# Altium PCB CM4-Tower.PcbDoc (part 7 of 10)
Units mil, origin at the board's own origin, x right, y up, seen from the top; angles counter-clockwise.
Board outline 1968.5 x 5354.33 mil, 8 copper layers (Top Layer, Layer 2, Layer 3, Layer 4, Layer 5, Layer 6, Layer 7, Bottom Layer), stack 61.408 mil thick; 632 components, 480 nets, 2338 pads, 1074 vias.
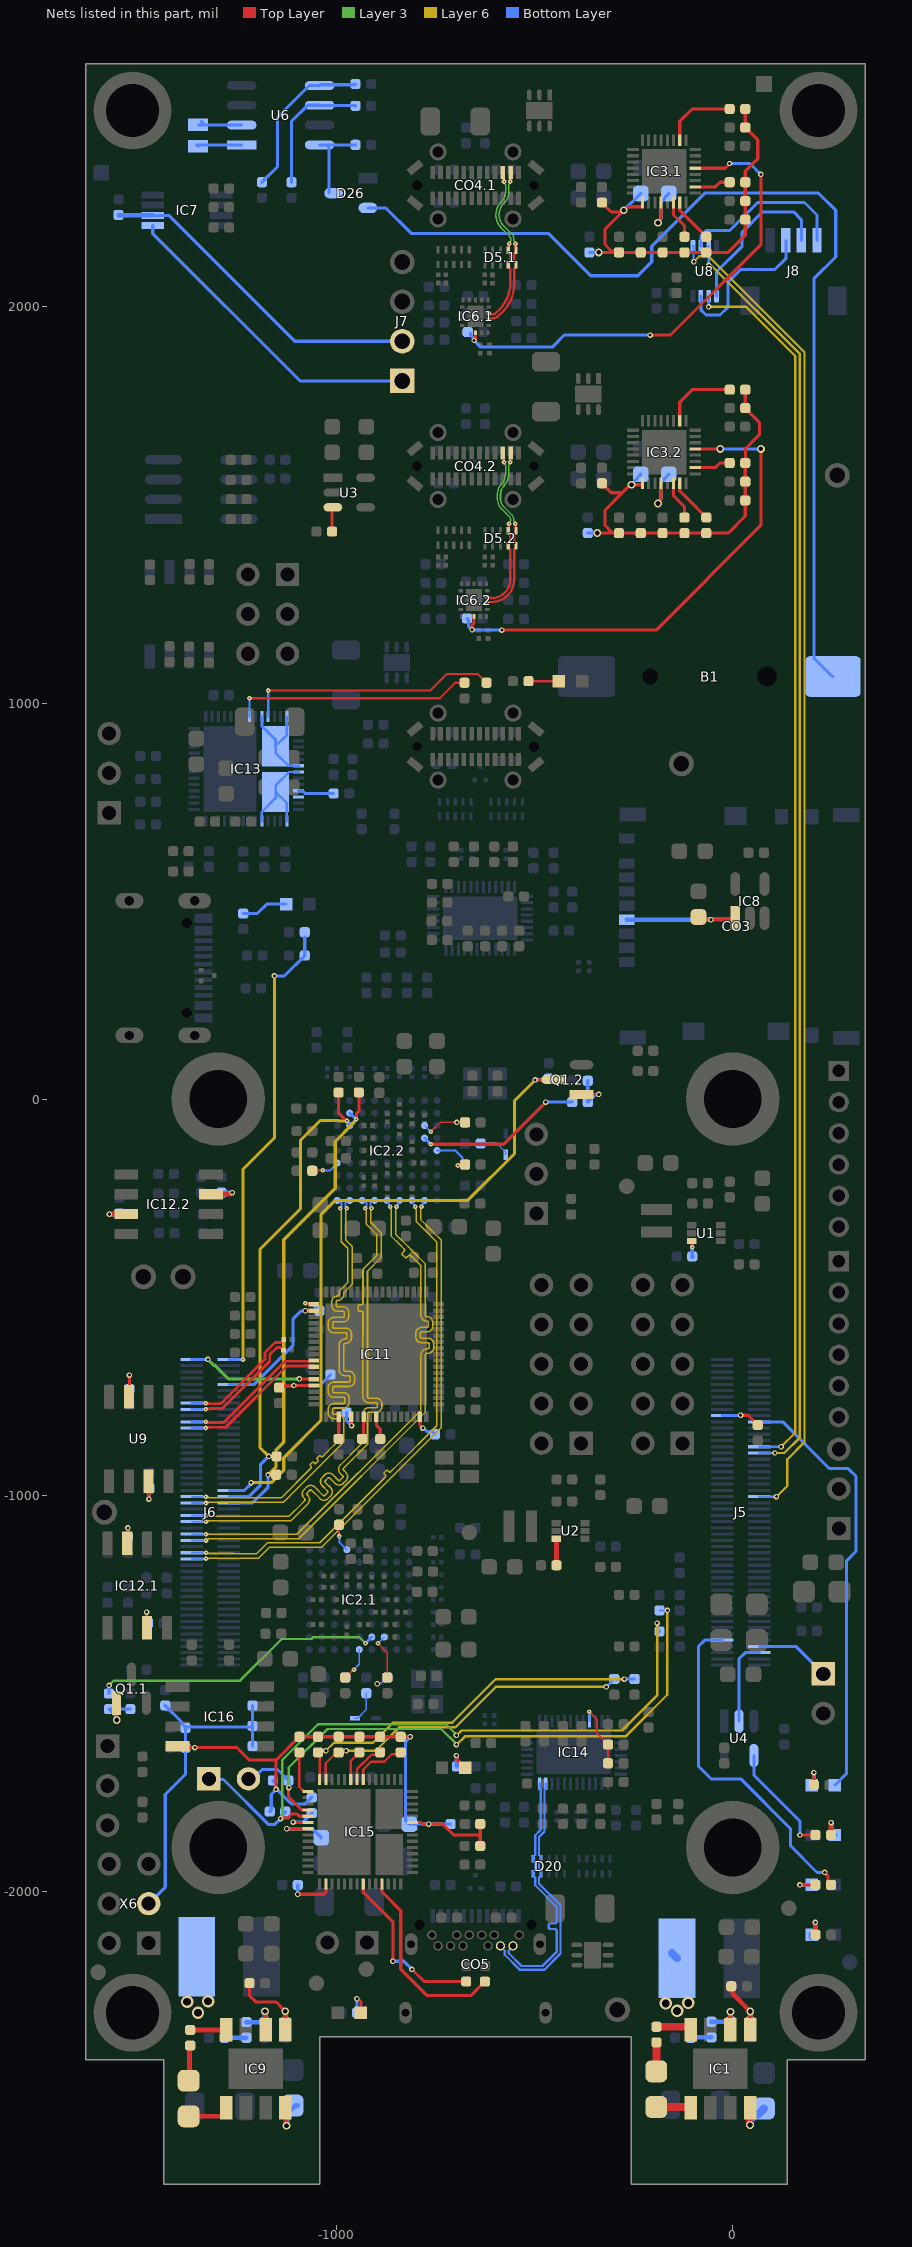
[diagram p13: the nets of this part, all layers, seen from the top]

## Via types
v1: diameter 13.78, hole 7.87, Top Layer to Bottom Layer, tented both sides, 538 vias
v2: diameter 11.81, hole 3.94, Top Layer to Bottom Layer, tented both sides, 294 vias
v3: diameter 19.68, hole 11.81, Top Layer to Bottom Layer, tented both sides, 193 vias
v4: diameter 31.5, hole 19.68, Top Layer to Bottom Layer, tented both sides, 49 vias

## Nets (pads, with @x,y where several pads share a name; then routed paths per layer and width w, separated by ;. In a path a pad name is that pad's centre, name@x,y a point inside that pad or via, vN(x,y) a via of type N, cw(c..) or ccw(c..) an arc to the next point about the centre after c; other vN are vias at no path point) (continued)
HDMI1_CK_N: IC2.2.A8 J6.166 | length 1366.2
  Layer 6 w3.94: v2(-1329.98,-1161.12) -1328.47,-1159.61 -1324.39,-1159.61 -1323.73,-1158.95 -1265.63,-1158.95 -1264.96,-1159.63 -1197.85,-1159.63 -1169.89,-1131.68 -1038.38,-1131.68 -736.22,-829.52 -736.22,-356.2 -755.71,-336.71 -763.78,-328.64 -788.43,-303.99 -788.43,-277.9 -787.77,-277.24 -787.77,-273.16 v2(-786.27,-271.65)
  Bottom Layer w4.92: J6.166@-1365.09,-1161.12 v2(-1329.98,-1161.12) ; v2(-786.27,-271.65) -786.27,-269.79 -780.84,-264.36 -780.84,-258.35 IC2.2.A8@-778.39,-255.91
HDMI1_CK_P: IC2.2.A7 J6.164 | length 1361.2
  Layer 6 w3.94: v2(-1329.98,-1145.37) -1328.47,-1146.88 -1324.39,-1146.88 -1323.73,-1147.54 -1260.91,-1147.54 -1260.23,-1148.21 -1202.58,-1148.21 -1174.62,-1120.26 -1043.11,-1120.26 -878.75,-955.9 -877.36,-954.51 ccw(c-880.14,-951.72) -877.36,-948.94 -879.75,-946.54 cw(c-878.08,-944.87) -879.75,-943.2 -874.74,-938.19 cw(c-873.07,-939.86) -871.4,-938.19 -869,-940.59 ccw(c-866.22,-937.8) -863.44,-940.59 -845.28,-922.43 -747.64,-824.79 -747.64,-360.93 -763.78,-344.78 -799.85,-308.72 -799.85,-277.9 -800.51,-277.24 -800.51,-273.16 v2(-802.01,-271.65)
  Bottom Layer w4.92: J6.164@-1365.09,-1145.37 v2(-1329.98,-1145.37) ; IC2.2.A7@-809.89,-255.91 -807.44,-258.35 -807.44,-264.36 -802.01,-269.79 v2(-802.01,-271.65)
HDMI1_HOT: J6.143 Q1.2.3 R29.2.2 | length 1687.4
  Top Layer w7.87: v1(-499.02,48.23) -454.54,48.23 Q1.2.3@-453.56,49.21
  Layer 6 w7.87: v1(-1216.3,-968.5) -1165.35,-968.5 -1133.86,-937.01 -1133.86,-905.51 -1040.17,-811.82 -1040.17,-292.14 -1003.94,-255.91 -669.29,-255.91 -551.18,-137.8 -551.18,-3.94 -519.69,27.56 v1(-499.02,48.23)
  Bottom Layer w7.87: J6.143@-1272.06,-988.19 -1232.89,-988.19 -1217.43,-972.73 -1217.43,-969.63 v1(-1216.3,-968.5) ; v1(-499.02,48.23) -497.54,49.7 -466.04,49.7 R29.2.2@-464.57,51.18 R29.2.2@-464.26,50.87
HDMI1_SCL: IC2.2.H2 J6.147 R47.2.2 R113.2 | length 1250.6
  Top Layer w7.87: v1(-1173.23,-948.82) -1173.08,-948.67 -1153.18,-948.67 R113.2@-1153.03,-948.53 ; v2(-950.45,-51.18) -949.7,-50.43 -949.7,-35.48 -943.75,-29.53 R47.2.2@-943.75,16.75
  Layer 6 w7.87: v1@-1173.23,-948.07 -1153.17,-928 -1153.17,-885.45 -1133.86,-866.14 -1133.86,-355.22 -1003.94,-225.3 -1003.94,-107.02 -958.4,-61.48 -958.4,-60.2 -950.45,-52.25 v2(-950.45,-51.18)
  Bottom Layer w7.87: J6.147@-1272.44,-1019.69 -1212.6,-1019.69 -1173.23,-980.31 v1(-1173.23,-948.82) ; IC2.2.H2@-967.37,-35.43 -966.78,-35.43 -951.03,-51.18 v2(-950.45,-51.18)
HDMI1_SDA: IC2.2.G2 J6.145 R21.2 R48.2.2 | length 1276.8
  Top Layer w7.87: v1(-1171.77,-902.3) R21.2@-1152.08,-902.3 ; R48.2.2@-995.57,16.35 -995.57,-34.85 -984.55,-45.87 -984.31,-45.87 -975.22,-54.96 v2(-974.15,-54.96)
  Layer 6 w7.87: v1(-1171.77,-902.3) -1193.9,-880.16 -1193.9,-378.94 -1091.54,-276.57 -1091.54,-103.71 -1041.86,-54.04 -995.8,-54.04 -994.88,-54.96 v2(-974.15,-54.96)
  Bottom Layer w7.87: J6.145@-1272.44,-1003.94 -1222.04,-1003.94 -1192.91,-974.81 -1192.91,-923.44 v1(-1171.77,-902.3) ; v2(-974.15,-54.96) -973.4,-55.71 -973.4,-58.24 -967.37,-64.27 IC2.2.G2@-967.37,-66.93
HDMI1_TD0_N: IC2.2.A6 J6.160 | length 1366.5
  Layer 6 w3.94: v2(-1330.33,-1114.55) -1328.2,-1114.55 -1323.87,-1110.22 -1096.16,-1110.22 -776.18,-790.24 -776.18,-681.1 -776.18,-646.26 cw(c-772.25,-646.26) -772.25,-642.32 -770.08,-642.32 ccw(c-770.08,-627.76) -755.51,-627.76 -755.51,-618.31 ccw(c-770.08,-618.31) -770.08,-603.74 -785.88,-603.74 cw(c-785.88,-600.59) -789.03,-600.59 -789.03,-591.14 cw(c-785.88,-591.14) -785.88,-587.99 -772.25,-587.99 ccw(c-772.25,-573.42) -757.68,-573.42 -757.68,-563.98 ccw(c-772.25,-563.98) -772.25,-549.41 cw(c-772.25,-545.47) -776.18,-545.47 -776.18,-500 -776.18,-416.33 -810.82,-381.69 -818.9,-373.62 -851.42,-341.09 -851.42,-277.9 -850.76,-277.24 -850.76,-273.16 v2(-849.26,-271.65)
  Bottom Layer w4.92: J6.160@-1365.77,-1114.55 v2(-1330.33,-1114.55) ; v2(-849.26,-271.65) -849.26,-269.79 -843.83,-264.36 -843.83,-258.35 IC2.2.A6@-841.38,-255.91
HDMI1_TD0_P: IC2.2.A5 J6.158 | length 1366
  Layer 6 w3.94: v2(-1330.33,-1098.8) -1100.89,-1098.8 -787.6,-785.51 -787.6,-692.91 -787.6,-681.1 -787.6,-646.26 cw(c-772.25,-646.26) -772.25,-630.91 -770.08,-630.91 ccw(c-770.08,-627.76) -766.93,-627.76 -766.93,-618.31 ccw(c-770.08,-618.31) -770.08,-615.16 -785.88,-615.16 cw(c-785.88,-600.59) -800.44,-600.59 -800.44,-591.14 cw(c-785.88,-591.14) -785.88,-576.57 -772.25,-576.57 ccw(c-772.25,-573.42) -769.1,-573.42 -769.1,-563.98 ccw(c-772.25,-563.98) -772.25,-560.83 cw(c-772.25,-545.47) -787.6,-545.47 -787.6,-500 -787.6,-421.06 -803.25,-405.41 -813.29,-395.37 ccw(c-816.07,-398.16) -818.86,-395.37 -823.15,-399.67 cw(c-825.38,-397.44) -827.6,-399.67 -834.29,-392.98 cw(c-832.06,-390.76) -834.29,-388.53 -829.99,-384.24 ccw(c-832.78,-381.45) -829.99,-378.67 -841.13,-367.53 -842.52,-366.14 -862.84,-345.82 -862.84,-277.9 -863.5,-277.24 -863.5,-273.16 v2(-865.01,-271.65)
  Bottom Layer w4.92: J6.158@-1365.77,-1098.8 v2(-1330.33,-1098.8) ; IC2.2.A5@-872.88,-255.91 -870.43,-258.35 -870.43,-264.36 -865.01,-269.79 v2(-865.01,-271.65)
HDMI1_TD1_N: IC2.2.A4 J6.154 | length 1355.8
  Layer 6 w3.94: v2(-1330.33,-1067.31) -1328.83,-1065.8 -1324.75,-1065.8 -1324.09,-1065.14 -1115.92,-1065.14 -1078.54,-1027.76 -1073.11,-1022.33 ccw(c-1083.97,-1011.47) -1073.11,-1000.62 -1074.74,-998.99 cw(c-1072.51,-996.76) -1074.74,-994.53 -1068.06,-987.85 cw(c-1065.83,-990.08) -1063.61,-987.85 -1042.64,-1008.82 ccw(c-1032.34,-998.52) -1022.04,-1008.82 -1015.36,-1002.13 ccw(c-1025.66,-991.83) -1015.36,-981.53 -1028.8,-968.09 cw(c-1026.58,-965.86) -1028.8,-963.64 -1022.12,-956.95 cw(c-1019.89,-959.18) -1017.67,-956.95 -1004.22,-970.4 ccw(c-993.92,-960.1) -983.62,-970.4 -976.94,-963.72 ccw(c-987.24,-953.42) -976.94,-943.12 -982.64,-937.42 cw(c-979.85,-934.64) -982.64,-931.85 -934.26,-883.47 -922.45,-871.67 -922.45,-834.65 -922.37,-834.56 -922.37,-816.89 -922.37,-794.51 cw(c-918.43,-794.51) -918.43,-790.57 -899.65,-790.57 ccw(c-899.65,-776.7) -885.79,-776.7 -885.79,-769.62 ccw(c-899.65,-769.62) -899.65,-755.75 -918.43,-755.75 cw(c-918.43,-751.81) -922.37,-751.81 -922.37,-744.09 -922.37,-688.98 -922.37,-594.49 -922.37,-434.58 -888.05,-400.26 -888.05,-337.33 -914.42,-310.96 -914.42,-281.83 -913.76,-281.18 -913.76,-277.1 v2(-912.25,-275.59)
  Bottom Layer w4.92: J6.154@-1365.77,-1067.31 v2(-1330.33,-1067.31) ; v2@-915.1,-270.87 -915.1,-262.3 -914.63,-261.83 -913.77,-261.83 -907.84,-255.91 IC2.2.A4@-904.38,-255.91
HDMI1_TD1_P: IC2.2.A3 J6.152 | length 1355.8
  Layer 6 w3.94: v2(-1330.33,-1051.56) -1328.83,-1053.06 -1324.75,-1053.06 -1324.09,-1053.72 -1120.65,-1053.72 -1086.61,-1019.69 -1081.19,-1014.26 ccw(c-1083.97,-1011.47) -1081.19,-1008.69 -1082.81,-1007.06 cw(c-1072.51,-996.76) -1082.81,-986.46 -1076.13,-979.78 cw(c-1065.83,-990.08) -1055.53,-979.78 -1034.57,-1000.74 ccw(c-1032.34,-998.52) -1030.11,-1000.74 -1023.43,-994.06 ccw(c-1025.66,-991.83) -1023.43,-989.61 -1036.88,-976.16 cw(c-1026.58,-965.86) -1036.88,-955.56 -1030.2,-948.88 cw(c-1019.89,-959.18) -1009.59,-948.88 -996.15,-962.33 ccw(c-993.92,-960.1) -991.7,-962.33 -985.01,-955.64 ccw(c-987.24,-953.42) -985.01,-951.19 -990.68,-945.53 cw(c-979.85,-934.64) -990.71,-923.78 -942.33,-875.4 -933.87,-866.94 -933.87,-834.65 -933.87,-816.89 -933.87,-794.51 cw(c-918.43,-794.51) -918.43,-779.07 -899.65,-779.07 ccw(c-899.65,-776.7) -897.29,-776.7 -897.29,-769.62 ccw(c-899.65,-769.62) -899.65,-767.25 -918.43,-767.25 cw(c-918.43,-751.81) -933.87,-751.81 -933.87,-744.09 -933.87,-688.98 -933.87,-594.57 -933.78,-594.49 -933.78,-541.27 -933.78,-539.3 ccw(c-937.72,-539.3) -937.72,-535.36 -943.13,-535.36 cw(c-943.13,-532.21) -946.28,-532.21 -946.28,-522.76 cw(c-943.13,-522.76) -943.13,-519.61 -937.72,-519.61 ccw(c-937.72,-515.68) -933.78,-515.68 -933.78,-476.38 -933.78,-429.85 -899.47,-395.53 -899.47,-342.05 -925.83,-315.69 -925.83,-281.83 -926.49,-281.18 -926.49,-277.1 v2(-928,-275.59)
  Bottom Layer w4.92: J6.152@-1365.77,-1051.56 v2(-1330.33,-1051.56) ; IC2.2.A3@-935.87,-255.91 -932.41,-255.91 -926.48,-261.83 -925.61,-261.83 -925.14,-262.3 v2@-925.14,-270.87
HDMI1_TD2_N: IC2.2.A2 J6.148 | length 1349.4
  Layer 6 w3.94: v2(-1330.33,-1020.06) -1328.83,-1018.56 -1324.75,-1018.56 -1324.09,-1017.9 -1134.66,-1017.9 -982.58,-865.82 -982.58,-818.9 -982.58,-811.22 ccw(c-997.94,-811.22) -997.94,-795.87 -1006.99,-795.87 cw(c-1006.99,-792.72) -1010.14,-792.72 -1010.14,-783.27 cw(c-1006.99,-783.27) -1006.99,-780.12 -983.07,-780.12 ccw(c-983.07,-765.55) -968.5,-765.55 -968.5,-756.1 ccw(c-983.07,-756.1) -983.07,-741.53 -1006.99,-741.53 cw(c-1006.99,-738.39) -1010.14,-738.39 -1010.14,-728.94 cw(c-1006.99,-728.94) -1006.99,-725.79 -969.59,-725.79 ccw(c-969.59,-711.22) -955.02,-711.22 -955.02,-701.77 ccw(c-969.59,-701.77) -969.59,-687.2 -978.64,-687.2 cw(c-978.64,-683.27) -982.58,-683.27 -982.58,-621.06 cw(c-978.64,-621.06) -978.64,-617.13 -977.39,-617.13 ccw(c-977.39,-602.56) -962.82,-602.56 -962.82,-593.11 ccw(c-977.39,-593.11) -977.39,-578.54 -1006.99,-578.54 cw(c-1006.99,-575.39) -1010.14,-575.39 -1010.14,-565.94 cw(c-1006.99,-565.94) -1006.99,-562.8 -984.32,-562.8 ccw(c-984.32,-548.23) -969.75,-548.23 -969.75,-538.78 ccw(c-984.32,-538.78) -984.32,-524.21 -997.94,-524.21 cw(c-997.94,-521.06) -1001.09,-521.06 -1001.09,-511.61 cw(c-997.94,-511.61) -997.94,-508.46 ccw(c-997.94,-493.11) -982.58,-493.11 -982.58,-489.45 -967.57,-474.44 -960.89,-467.76 -960.89,-464.39 -960.89,-372.3 -977.41,-355.78 -977.41,-281.83 -976.69,-281.12 -976.69,-277.15 v2(-975.19,-275.64)
  Bottom Layer w4.92: J6.148@-1365.76,-1020.06 v2(-1330.33,-1020.06) ; v2@-978.1,-270.87 -978.1,-262.3 -977.63,-261.83 -976.76,-261.83 -970.83,-255.91 IC2.2.A2@-967.37,-255.91
HDMI1_TD2_P: IC2.2.A1 J6.146 | length 1351.6
  Layer 6 w3.94: v2(-1330.33,-1004.31) -1328.83,-1005.82 -1324.75,-1005.82 -1324.09,-1006.48 -1139.38,-1006.48 -1066.69,-933.79 -1065.3,-932.39 ccw(c-1068.08,-929.61) -1065.3,-926.83 -1066.41,-925.71 cw(c-1064.74,-924.04) -1066.41,-922.37 -1061.4,-917.36 cw(c-1059.73,-919.03) -1058.06,-917.36 -1055.83,-919.59 ccw(c-1054.16,-917.92) -1052.49,-919.59 -1047.48,-914.58 ccw(c-1049.15,-912.91) -1047.48,-911.24 -1049.4,-909.32 cw(c-1047.73,-907.65) -1049.4,-905.98 ; -1049.4,-905.98 -1044.39,-900.97 cw(c-1042.71,-902.64) -1041.04,-900.97 -1040.24,-901.77 ccw(c-1037.46,-898.99) -1034.68,-901.77 -1023.15,-890.24 -994,-861.09 -994,-818.9 -994,-811.22 ccw(c-997.94,-811.22) -997.94,-807.28 -1006.99,-807.28 cw(c-1006.99,-792.72) -1021.56,-792.72 -1021.56,-783.27 cw(c-1006.99,-783.27) -1006.99,-768.7 -983.07,-768.7 ccw(c-983.07,-765.55) -979.92,-765.55 -979.92,-756.1 ccw(c-983.07,-756.1) -983.07,-752.95 -1006.99,-752.95 cw(c-1006.99,-738.39) -1021.56,-738.39 -1021.56,-728.94 cw(c-1006.99,-728.94) -1006.99,-714.37 -969.59,-714.37 ccw(c-969.59,-711.22) -966.44,-711.22 -966.44,-701.77 ccw(c-969.59,-701.77) -969.59,-698.62 -978.64,-698.62 cw(c-978.64,-683.27) -994,-683.27 -994,-621.06 cw(c-978.64,-621.06) -978.64,-605.71 -977.39,-605.71 ccw(c-977.39,-602.56) -974.24,-602.56 -974.24,-593.11 ccw(c-977.39,-593.11) -977.39,-589.96 -1006.99,-589.96 cw(c-1006.99,-575.39) -1021.56,-575.39 -1021.56,-565.94 cw(c-1006.99,-565.94) -1006.99,-551.38 -984.32,-551.38 ccw(c-984.32,-548.23) -981.17,-548.23 -981.17,-538.78 ccw(c-984.32,-538.78) -984.32,-535.63 -997.94,-535.63 cw(c-997.94,-521.06) -1012.5,-521.06 -1012.5,-511.61 cw(c-997.94,-511.61) -997.94,-497.05 ccw(c-997.94,-493.11) -994,-493.11 -994,-484.72 -975.64,-466.36 -973.67,-464.39 -972.3,-463.03 -972.3,-377.03 -988.82,-360.51 -988.82,-281.83 -989.48,-281.18 -989.48,-277.01 v2(-990.93,-275.55)
  Bottom Layer w4.92: J6.146@-1365.77,-1004.31 v2(-1330.33,-1004.31) ; IC2.2.A1@-998.86,-255.91 -995.4,-255.91 -989.47,-261.83 -988.61,-261.83 -988.14,-262.3 v2@-988.14,-270.87
HDMI_HOT_OUT.1: IC2.1.F8 R30.1.2 | length 747.6
  Layer 3 w5.91: v1(-1574.8,-1480.32) -1562.99,-1468.5 -1244.09,-1468.5 -1138.96,-1363.37 -1063.42,-1363.37 -1058.63,-1358.58 -942.99,-1358.58 v2(-927.38,-1374.2)
  Bottom Layer w7.87: R30.1.2@-1575.25,-1501.12 -1575.02,-1500.9 -1575.02,-1480.54 v1(-1574.8,-1480.32) ; v2(-927.38,-1374.2) IC2.1.F8@-911.63,-1358.45
HDMI_HOT_OUT.2: IC2.2.F8 R30.2.2 | length 423.4
  Top Layer w7.87: v2(-762.64,-113.74) -762.21,-114.17 -578.74,-114.17 v1(-472.44,-7.87)
  Bottom Layer w7.87: IC2.2.F8@-778.39,-98.43 -778.18,-98.43 -762.86,-113.74 v2(-762.64,-113.74) ; v1(-472.44,-7.87) R30.2.2@-405.51,-7.87
HRESET: IC15.44 R173.1 | length 117.4
  Top Layer w7.87: v1(-1098.43,-2007.87) -1032.17,-2007.87 -1027.56,-2003.26 IC15.44@-1027.56,-1982.28
  Bottom Layer w7.87: v1(-1098.43,-2007.87) R173.1@-1098.43,-1984.25
I2C1_IRQ: IC15.29 R205.2 | length 113.2
  Top Layer w5.91: R205.2@-1094.49,-1649.61 -1094.49,-1736.22 -1083.66,-1747.05 -1073.82,-1747.05 IC15.29@-1072.83,-1748.03
I2C1_SCL: IC15.27 R151.1 R207.2 | length 857.8
  Top Layer w5.91: IC15.27@-1027.56,-1718.5 -1027.56,-1692.48 -1027.64,-1692.4 -1027.64,-1677.2 -1007.38,-1656.95 -1002.42,-1656.95 R207.2@-995.08,-1649.61 -992.65,-1647.18 -977.88,-1647.18 v1(-976.38,-1645.67)
  Layer 6 w5.91: v1(-976.38,-1645.67) -901.8,-1645.67 -842.74,-1586.61 -700.79,-1586.61 -598.43,-1484.25 v1(-319.46,-1484.25)
  Bottom Layer w5.91: v1(-319.46,-1484.25) -318.9,-1484.25 R151.1@-299.21,-1464.57
I2C1_SDA: IC15.28 R153.1 R206.2 | length 946.4
  Top Layer w5.91: IC15.28@-1043.31,-1718.5 R206.2@-1043.31,-1653.54
  Top Layer w7.87: R206.2@-1043.31,-1653.54 R206.2@-1047.24,-1649.61 -1044.44,-1646.8 -1028.69,-1646.8 v1(-1027.56,-1645.67)
  Layer 6 w5.91: v1(-1027.56,-1645.67) -1007.03,-1625.14 -908.6,-1625.14 -858.27,-1574.8 -708.66,-1574.8 -598.43,-1464.57 v1(-273.62,-1464.57)
  Bottom Layer w7.87: v1(-273.62,-1464.57) R153.1@-248.03,-1464.57
I2C2_IRQ: IC15.34 R177.2 | length 94.2
  Top Layer w7.87: v1(-1110.14,-1825.79) -1109.15,-1826.77 IC15.34@-1072.83,-1826.77
  Bottom Layer w7.87: v1(-1110.14,-1825.79) -1085.63,-1825.79 R177.2@-1062.99,-1803.15
I2C2_SCL: IC15.32 J9.2 R175.2 R191.2 | length 1575.8
  Top Layer w7.87: v1(-1120.66,-1738.42) -1121.79,-1739.55 -1121.79,-1752.93 -1122.05,-1753.19 -1122.05,-1761.95 -1088.72,-1795.28 IC15.32@-1072.83,-1795.28
  Layer 3 w5.91: v1(-1120.66,-1738.42) -1121.11,-1737.97 -1121.11,-1688.04 -1023.62,-1590.55 -736.22,-1590.55 -698.03,-1628.74 v1(-698.03,-1629.92)
  Layer 6 w5.91: v1(-698.03,-1629.92) -696.85,-1629.92 -676.18,-1609.25 -270.67,-1609.25 -165.35,-1503.94 v1(-165.35,-1291.34)
  Bottom Layer w5.91: R191.2@-185.04,-1291.34 v1(-165.35,-1291.34)
  Bottom Layer w7.87: J9.2@-1222.83,-1716.54 -1211.62,-1716.54 -1188,-1692.91 -1149.61,-1692.91 -1121.35,-1721.17 -1121.35,-1737.73 v1(-1120.66,-1738.42)
I2C2_SDA: IC15.33 J9.1 R176.2 R190.2 | length 1726.5
  Top Layer w7.87: v1(-1141.73,-1816.77) -1140.6,-1815.64 -1123.65,-1815.64 -1113.4,-1805.39 -1100.13,-1805.39 -1094.49,-1811.02 IC15.33@-1072.83,-1811.02
  Layer 3 w5.91: v1(-1141.73,-1816.77) -1137.41,-1812.44 -1137.41,-1668.91 -1047.24,-1578.74 -724.41,-1578.74 -698.03,-1605.12 v1(-698.03,-1606.3)
  Layer 6 w5.91: v1(-698.03,-1606.3) -696.85,-1606.3 -685.04,-1594.49 -279.53,-1594.49 -191.2,-1506.16 v1(-191.2,-1323.06)
  Bottom Layer w7.87: J9.1@-1322.83,-1716.54 -1321.21,-1718.16 -1286.11,-1718.16 -1172.89,-1831.37 -1156.34,-1831.37 -1140.6,-1815.64 -1140.6,-1811.23 -1129.92,-1800.54 R176.2@-1129.92,-1799.21 ; v1(-191.2,-1323.06) -190.07,-1324.19 -190.07,-1339 R190.2@-185.04,-1344.03
I2C3_IRQ: IC15.23 R202.2 | length 77.9
  Top Layer w5.91: IC15.23@-964.57,-1718.5 -964.57,-1671.26 R202.2@-942.91,-1649.61
I2C3_SCL: IC15.21 R204.2 | length 138
  Top Layer w5.91: IC15.21@-933.07,-1718.5 -933.07,-1692.91 -913.39,-1673.23 -880,-1673.23 -861.33,-1654.56 -843.53,-1654.56 R204.2@-838.58,-1649.61
I2C3_SDA: IC15.22 R203.2 | length 102.2
  Top Layer w5.91: IC15.22@-948.82,-1718.5 -948.82,-1691.96 -912.4,-1655.54 -896.68,-1655.54 R203.2@-890.75,-1649.61
I2C_EN: IC14.17 R156.2 R164.1 | length 173.1
  Top Layer w4.92: v2(-362.2,-1547.24) -342.41,-1567.04 -342.41,-1602.47 R164.1@-314.96,-1629.92 R156.2@-314.96,-1677.17
  Bottom Layer w4.92: IC14.17@-362.2,-1570.87 v2(-362.2,-1547.24)
IRQ.1: IC2.1.E9 R38.1.2 R39.1.1 | length 116.8
  Top Layer w3.94: R38.1.2@-978.56,-1460.81 -977.56,-1460.81 -957.69,-1440.94 v2(-956.69,-1440.94)
  Bottom Layer w3.94: R39.1.1@-978.56,-1460.81 -977.56,-1460.81 -957.69,-1440.94 v2(-956.69,-1440.94) -943.13,-1427.38 IC2.1.E9@-943.13,-1389.94
IRQ.2: IC2.2.E9 R38.2.2 R39.2.1 | length 141.2
  Top Layer w7.87: v2(-694.38,-167.82) -693.63,-167.07 -677.74,-167.07 R38.2.2@-676.03,-165.35
  Bottom Layer w5.91: IC2.2.E9@-746.9,-129.92 -700.79,-129.92 -682.67,-148.04 -682.67,-163.97 -686.52,-167.82 v2(-694.38,-167.82) -694.38,-165.35 -682.67,-165.35 R39.2.1@-676.03,-165.35
LDO_1V5_DFP.1: C156.1.1 IC3.1.4 | length 139.7
  Top Layer w7.87: v3(-188.98,2212.6) -188.98,2215.79 -181.1,2223.67 IC3.1.4@-181.1,2263.78
  Bottom Layer w7.87: v3(-188.98,2212.6) -188.98,2215.24 -181.1,2223.12 -181.1,2266.06 -161.42,2285.74 C156.1.1@-161.42,2286.42
LDO_1V5_DFP.2: C156.2.1 IC3.2.4 | length 139.7
  Top Layer w7.87: v3(-188.98,1503.75) -188.98,1506.95 -181.1,1514.82 IC3.2.4@-181.1,1554.93
  Bottom Layer w7.87: v3(-188.98,1503.75) -188.98,1506.39 -181.1,1514.27 -181.1,1557.21 -161.42,1576.89 C156.2.1@-161.42,1577.57
LDO_1V8: C152.1 IC15.35 | length 149.9
  Top Layer w7.87: v1(-1126.39,-1842.52) IC15.35@-1072.83,-1842.52
  Bottom Layer w7.87: v1(-1126.39,-1842.52) -1062.01,-1842.52 C152.1@-1039.37,-1865.16
LDO_3V3: C149.1 C151.1 C160.1 IC15.9 IC16.8 R174.1 R175.1 R176.1 R177.1 R180.1 R181.1 R182.1 R183.1 R202.1 R203.1 R204.1 R205.1 R206.1 R207.1 R211.1 R212.1 X6.3 | length 2321.5
  Top Layer w7.87: IC16.8@-1402.05,-1634.06 -1398.31,-1637.8 v1(-1358.27,-1637.8) -1251.97,-1637.8 -1220.47,-1669.29 -1153.54,-1669.29 -1153.16,-1668.91 ; v1(-1153.16,-1743.1) -1153.16,-1668.91 ; v1(-814.96,-1610.24) R204.1@-838.58,-1610.24 R203.1@-890.75,-1610.24 R202.1@-942.91,-1610.24 R207.1@-995.08,-1610.24 R206.1@-1047.24,-1610.24 R205.1@-1094.49,-1610.24 -1153.16,-1668.91 ; IC15.9@-809.06,-1826.77 -787.4,-1826.77 -783.46,-1830.71 v1(-767.72,-1830.71) -732.28,-1830.71 -704.72,-1858.27 -637.8,-1858.27 ; R212.1@-637.8,-1885.83 -637.8,-1858.27 ; R174.1@-637.8,-1830.71 -637.8,-1858.27
  Bottom Layer w7.87: X6.3@-1474.8,-2031.5 -1433.07,-1989.76 -1433.07,-1755.91 -1381.82,-1704.65 C160.1@-1381.89,-1637.8 -1381.82,-1588.08 R180.1@-1381.74,-1588.01 ; R211.1@-1433.07,-1531.5 -1389.08,-1575.48 -1389.08,-1579.34 -1383.08,-1585.34 -1215.27,-1585.34 R182.1@-1212.6,-1582.68 ; C160.1@-1377.95,-1637.8 v1(-1358.27,-1637.8) ; R181.1@-1212.6,-1633.86 R182.1@-1212.6,-1582.68 ; R183.1@-1212.6,-1531.5 R182.1@-1212.6,-1582.68 ; R176.1@-1169.29,-1799.21 -1165.35,-1795.28 -1165.35,-1756.09 v1@-1152.36,-1743.1 ; R175.1@-1161.42,-1720.47 -1154.29,-1727.6 v1@-1154.29,-1741.97 ; v1@-1151.56,-1743.1 -1118.08,-1776.57 -1116.8,-1776.57 -1113.79,-1779.58 -1080.12,-1779.58 -1064.32,-1763.78 R177.1@-1062.99,-1763.78 ; v1(-814.96,-1610.24) -814.96,-1611.83 -826.77,-1623.65 -826.77,-1820.87 C151.1@-816.93,-1830.71 v1(-767.72,-1830.71) C149.1@-712.6,-1830.71
LDO_3V3_DFP.1: C157.1.1 IC3.1.1 R56.1.1 R57.1.1 R58.1.1 R60.1.1 R61.1.1 R62.1.1 R63.1.1 R67.1.1 R97.1.1 R104.1.1 R106.1.1 R223.1.1 | length 1090.5
  Top Layer w7.87: v3(-338.58,2137.8) R104.1.1@-287.4,2137.8 ; R61.1.1@-330.71,2263.78 -306.65,2239.72 v3@-279.09,2239.72 ; IC3.1.1@-228.35,2263.78 -228.35,2252.95 -263.54,2252.95 -272.39,2244.09 v3(-275.59,2244.09) -275.59,2243.22 v3@-279.09,2239.72 ; R56.1.1@31.5,2500 R60.1.1@31.5,2453.41 62.99,2421.92 62.99,2374.02 31.5,2342.52 R97.1.1@31.5,2314.96 R62.1.1@31.5,2267.72 R63.1.1@31.5,2220.47 31.5,2181.1 -11.81,2137.8 R58.1.1@-66.93,2137.8 R57.1.1@-122.05,2137.8 R67.1.1@-177.17,2137.8 R106.1.1@-232.28,2137.8 R104.1.1@-287.4,2137.8 ; R104.1.1@-287.4,2137.8 -291.02,2141.41 -306.58,2141.41 -322.83,2157.67 -322.83,2195.98 v3@-279.09,2239.72
  Bottom Layer w7.87: R223.1.1@-362.2,2137.8 v3(-338.58,2137.8) ; v3(-275.59,2244.09) -275.1,2244.09 -232.78,2286.42 C157.1.1@-232.28,2286.42
LDO_3V3_DFP.2: C157.2.1 IC3.2.1 R56.2.1 R57.2.1 R58.2.1 R60.2.1 R61.2.1 R62.2.1 R63.2.1 R67.2.1 R97.2.1 R104.2.1 R106.2.1 R223.2.1 | length 1048
  Top Layer w7.87: v3(-342.52,1429.13) -342.43,1429.04 -287.49,1429.04 R104.2.1@-287.4,1428.95 R106.2.1@-232.28,1428.95 R67.2.1@-177.17,1428.95 R57.2.1@-122.05,1428.95 R58.2.1@-66.93,1428.95 -11.81,1428.95 31.5,1472.25 R63.2.1@31.5,1511.62 R62.2.1@31.5,1558.87 R97.2.1@31.5,1606.11 32.06,1606.68 32.06,1642.3 66.93,1677.17 66.93,1708.66 31.5,1744.09 R56.2.1@31.5,1791.15 ; R61.2.1@-330.71,1554.93 -306.65,1530.87 -279.09,1530.87 ; -306.58,1432.57 -322.83,1448.82 -322.83,1487.13 -279.09,1530.87 ; IC3.2.1@-228.35,1554.93 -228.35,1550.99 v3(-255.91,1550.99) -258.97,1550.99 -279.09,1530.87
  Bottom Layer w7.87: R223.2.1@-366.14,1429.13 v3(-342.52,1429.13) ; v3(-255.91,1550.99) -255.91,1552.47 -241.83,1566.54 -241.83,1568.02 C157.2.1@-232.28,1577.57
LED_BLUE: J5.29 U8.6 | length 3121
  Layer 6 w5.91: v1(-60.99,2000.31) 33.21,2000.31 157.48,1876.04 157.48,-842.52 v1(122.05,-877.95)
  Bottom Layer w5.91: v1(-60.99,2000.31) U8.6@-61.01,2027.54 ; J5.29@66.93,-877.95 v1(122.05,-877.95)